# Altium PCB Copy of SmartLock_Alpha_v1.PcbDoc (continued)
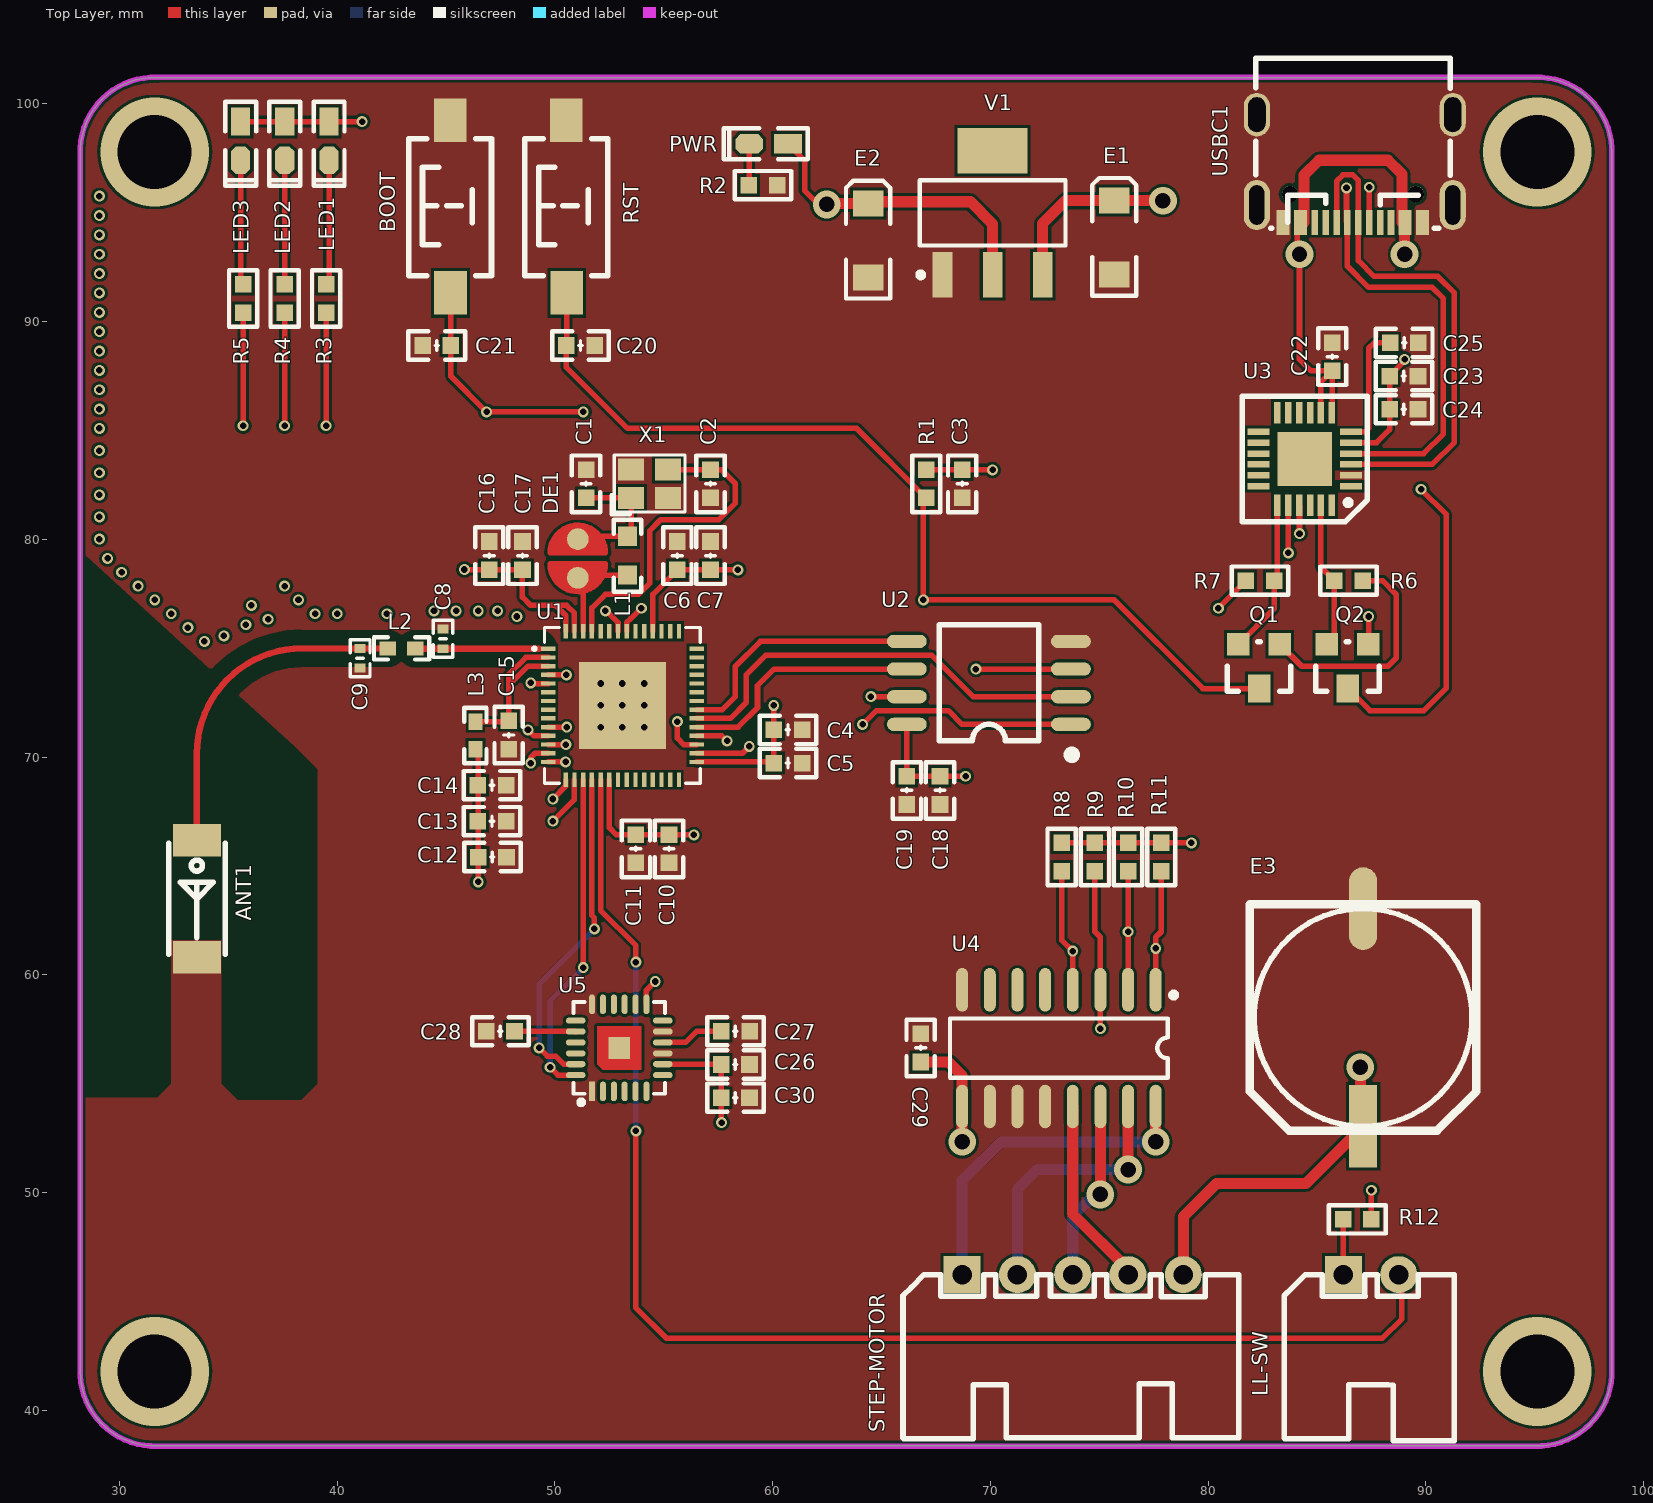
[diagram p0: Top Layer view]
## Components (designator, comment, footprint, x,y, rotation, side; value= is the part's Value field where it differs from the comment) (continued)
PWR "红色" "LED 0603B" 59.817,98.171 r180 top
Q1 "SS8050" SOT23-3N 83.419,75.194 r180 top
Q2 "SS8050" SOT23-3N 87.483,75.194 r180 top
R1 "10K" "R 0603_L" 67.056,82.55 r90 top
R2 "470R" "R 0603_L" 59.563,96.266 r0 top
R3 "470R" "R 0603_L" 39.497,91.059 r270 top
R4 "470R" "R 0603_L" 37.592,91.059 r270 top
R5 "470R" "R 0603_L" 35.687,91.059 r270 top
R6 "10K" "R 0603_L" 86.455,78.099 r0 top
R7 "10K" "R 0603_L" 82.391,78.099 r180 top
R8 "4.7K" "R 0603_L" 73.279,65.405 r90 top
R9 "4.7K" "R 0603_L" 74.803,65.405 r90 top
R10 "4.7K" "R 0603_L" 76.327,65.405 r90 top
R11 "4.7K" "R 0603_L" 77.851,65.405 r90 top
R12 "4.7K" "R 0603_L" 86.853,48.768 r0 top
RST "3x6x5" "TSW SMD-3*6*2.5" 50.526,95.309 r90 top
STEP-MOTOR "HDR-1X5" XH2.54-WI-5P 73.787,46.228 r0 top
U1 "ESP32-S3" "QFN56 7x7" 53.102,72.374 r0 top
U2 "W25Q64JVSSIQ" SOIC-8W 69.935,73.406 r180 top
U3 "CH9102F" QFN24 84.438,83.687 r180 top
U4 "达林顿驱动芯片" SOP16 73.152,56.642 r270 top
U5 "MPU6050" "QFN24 4x4_N" 52.959,56.642 r0 top
USBC1 "TYPE-C 2.0 -16P" USB-C-SMD_TYPE-C-USB-5 86.741,97.028 r180 top
V1 "AMS1117-3V3" SOT223_L 70.104,94.996 r90 top
X1 "40M ±10ppm" "OSC 2025-4P" 54.356,82.55 r0 top

## Footprints (in the part's own frame and the unit in brackets; to place one, negate y for a bottom-side part, rotate by r counter-clockwise, add the part's x,y. Pads: shape width x height; smd on the part's side, far side on the other; paste and mask are expansions set on the pad)
"C 0402_L" [mm] "无极性贴片电容         淘宝ID:黄晶宝石"
  rect 0.4x0.5 smd: 1(-0.45,0) 2(0.45,0)
  silkscreen extent -0.85,-0.45 0.85,0.45, body extent -0.5,-0.26 0.5,0.26, height 0.51
"C 0603_L" [mil] "无极性贴片电容                                       淘宝ID:黄晶宝石"
  rect 30x30 smd: 1(-25.59,0) 2(25.59,0)
  silkscreen extent -51,-26 51,26, body extent -31,-16 32,16, height 32
"CD A(3216)" [mm] "长3.2mm，宽1.6mm，厚1.6mm      淘宝ID:黄晶宝石"
  rect 1.2x1.4 smd: 1(-1.7,0) 2(1.7,0)
  silkscreen extent -2.74,-1.02 2.67,1.02, body extent -1.6,-0.8 1.6,0.8, height 1.6
"CT 10*8 - C" [mm] "直径10mm，高8mm"
  rect 3.8x1.3 smd: 1(5,0)
  oval 3.8x1.3 smd: 2(-5,0)
  silkscreen extent -5.2,-5.2 5.2,5.2, body extent -5.8,-5.15 5.8,5.15, height 8
DEBUG_A [mm] "调试断点焊盘"
  round 1 smd paste-1: 1(-0.889,0) 2(0.889,0)
  Top Layer region: 0.254,1.27 0.254,-1.27 0.762,-1.143 1.397,-0.508 1.524,0.254 1.27,0.762 1.016,1.016 0.508,1.27
  Top Layer region: -0.254,1.27 -0.254,-1.27 -0.762,-1.143 -1.397,-0.508 -1.524,0.254 -1.27,0.762 -1.016,1.016 -0.508,1.27
  Top Layer lines w0.254: -0.254,1.27 ccw(c-0.254,0) -1.5,-0.248 ccw(c-0.254,0) -0.762,-1.164 ccw(c-0.254,0) -0.254,-1.27 -0.254,1.27 ; 0.254,1.27 cw(c0.254,0) 1.016,-1.016 cw(c0.254,0) 0.254,-1.27 0.254,1.27
"L 0402" [mil] "小功率贴片电感        淘宝ID:黄晶宝石"
  rect 30x25 smd: 1(-25,0) 2(25,0)
  silkscreen extent -50,-20 50,20, body extent -20,-10 20,10, height 20
"L 0603" [mil] "小功率贴片电感        淘宝ID:黄晶宝石"
  rect 35x35 smd: 1(-35,0) 2(35,0)
  silkscreen extent -65,-25 65,25, body extent -31,-16 32,16, height 31
"LED 0603B" [mil] "蓝色0603LED                             淘宝ID:黄晶宝石"
  rect 50x35 smd: 1(-35,0.26)
  oct 50x35 smd: 2(35,0.26)
  silkscreen extent -71,-28 81,28, body extent -31,-16 32,16, height 24
"OSC 2025-4P" [mm] "2*2.5*0.55mm(长宽高)                    淘宝ID:黄晶宝石"
  rect 1.2x1 smd: 1(-0.85,-0.65) 2(0.85,-0.65) 3(0.85,0.65) 4(-0.85,0.65)
  silkscreen extent -1.75,-1.4 1.63,1.32, body extent -1.25,-1 1.25,1, height 0.55
QFN24 [mm] "4mm*4mm 封装库来自淘宝卖家 ID：黄晶宝石"
  rect 1x0.3 smd: 1(-2.125,1.25) 2(-2.125,0.75) 3(-2.125,0.25) 4(-2.125,-0.25) 5(-2.125,-0.75) 6(-2.125,-1.25) 13(2.125,-1.25) 14(2.125,-0.75) 15(2.125,-0.25) 16(2.125,0.25) 17(2.125,0.75) 18(2.125,1.25)
  rect 0.3x1 smd: 7(-1.25,-2.125) 8(-0.75,-2.125) 9(-0.25,-2.125) 10(0.25,-2.125) 11(0.75,-2.125) 12(1.25,-2.125) 19(1.25,2.125) 20(0.75,2.125) 21(0.25,2.125) 22(-0.25,2.125) 23(-0.75,2.125) 24(-1.25,2.125)
  rect 2.5x2.5 smd: 25(0,0)
  silkscreen extent -2.88,-2.88 2.88,2.88, body extent -2,-2 2,2, height 0.9
"QFN24 4x4_N" [mm] "24脚，长x宽x高：4x4x1mm，脚距：0.5mm"
  rect 0.28x0.9 smd: 1(-1.25,-2)
  oval 0.28x0.9 smd: 2(-0.75,-2) 3(-0.25,-2) 4(0.25,-2) 5(0.75,-2) 6(1.25,-2) 13(1.25,2) 14(0.75,2) 15(0.25,2) 16(-0.25,2) 17(-0.75,2) 18(-1.25,2)
  oval 0.9x0.28 smd: 7(2,-1.25) 8(2,-0.75) 9(2,-0.25) 10(2,0.25) 11(2,0.75) 12(2,1.25) 19(-2,1.25) 20(-2,0.75) 21(-2,0.25) 22(-2,-0.25) 23(-2,-0.75) 24(-2,-1.25)
  rect 1x1 smd: 25(0,0)
  Top Layer region: -1,1 1,1 1,-1 -0.75,-1 -1,-0.75
  silkscreen extent -2.11,-2.6 2.11,2.11, body extent -2.01,-2.01 2.01,2.01, height 0.95
"QFN56 7x7" [mm] "56脚 QFN65 7x7"
  rect 0.665x0.2 smd: 1(-3.408,2.6) 2(-3.408,2.2) 3(-3.408,1.8) 4(-3.408,1.4) 5(-3.408,1) 6(-3.408,0.6) 7(-3.408,0.2) 8(-3.408,-0.2) 9(-3.408,-0.6) 10(-3.408,-1) 11(-3.408,-1.4) 12(-3.408,-1.8) 13(-3.408,-2.2) 14(-3.408,-2.6) 29(3.407,-2.6) 30(3.407,-2.2) 31(3.407,-1.8) 32(3.407,-1.4) 33(3.407,-1) 34(3.407,-0.6) 35(3.407,-0.2) 36(3.407,0.2) 37(3.407,0.6) 38(3.407,1) 39(3.407,1.4) 40(3.407,1.8) 41(3.407,2.2) 42(3.407,2.6)
  rect 0.2x0.665 smd: 15(-2.6,-3.407) 16(-2.2,-3.407) 17(-1.8,-3.407) 18(-1.4,-3.407) 19(-1,-3.407) 20(-0.6,-3.407) 21(-0.2,-3.407) 22(0.2,-3.407) 23(0.6,-3.407) 24(1,-3.407) 25(1.4,-3.407) 26(1.8,-3.407) 27(2.2,-3.407) 28(2.6,-3.407) 43(2.6,3.408) 44(2.2,3.408) 45(1.8,3.408) 46(1.4,3.408) 47(1,3.408) 48(0.6,3.408) 49(0.2,3.408) 50(-0.2,3.408) 51(-0.6,3.408) 52(-1,3.408) 53(-1.4,3.408) 54(-1.8,3.408) 55(-2.2,3.408) 56(-2.6,3.408)
  rect 4x4 smd: 57(0,0)
  silkscreen extent -4.11,-3.58 3.58,3.58, body extent -3.51,-3.51 3.51,3.51, height 0.9
"R 0603_L" [mil] "1/10W贴片电阻                 淘宝ID:黄晶宝石"
  rect 30x30 smd: 1(-25.59,0) 2(25.59,0)
  silkscreen extent -51,-26 51,26, body extent -31,-16 32,16, height 16
SMD-2051 [mm]
  rect 1.5x2.2 smd: 1(-2.679,0.03) 2(2.701,0.03)
  silkscreen extent -2.55,-1.27 2.56,1.33, body extent -2.54,-1.02 2.54,1.02, height 1.2
SOIC-8W [mil] "25Q128 SPI_FLASH  SOIC8，封装库来自淘宝卖家 ID：黄晶宝石"
  oval 72x24 smd: 1(-148.35,75) 2(-148.35,25) 3(-148.35,-25) 4(-148.35,-75) 5(148.35,-75) 6(148.35,-25) 7(148.35,25) 8(148.35,75)
  silkscreen extent -155,-105 90,135, body extent -155,-104 155,104, height 75
SOP16 [mm] "封装库来自淘宝卖家 ID：黄晶宝石"
  oval 2x0.55 smd: 1(-2.667,4.445) 2(-2.667,3.175) 3(-2.667,1.905) 4(-2.667,0.635) 5(-2.667,-0.635) 6(-2.667,-1.905) 7(-2.667,-3.175) 8(-2.667,-4.445) 9(2.692,-4.445) 10(2.692,-3.175) 11(2.692,-1.905) 12(2.692,-0.635) 13(2.692,0.635) 14(2.692,1.905) 15(2.692,3.175) 16(2.692,4.445)
  silkscreen extent -2.55,-5 1.37,5.4, body extent -3,-5 3,5, height 1.9
SOT23-3N [mil] "封装库来自淘宝卖家 ID：黄晶宝石"
  rect 40x40 smd: 1(4.88,0.63) 2(79.88,0.63)
  rect 40x50 smd: 3(41.88,80.63)
  silkscreen extent -15,-4 100,86, body extent -16,-6 102,89, height 41
SOT223_L [mm] "SOT223, 4-Leads, Body 6.5x3.5mm, Pitch 2.3mm, Lead Span 7mm, IPC High Density"
  rect 2.1x0.9 smd: 1(-2.85,2.3) 2(-2.85,0) 3(-2.85,-2.3)
  rect 2.1x3.2 smd: 4(2.85,0)
  silkscreen extent -2.97,-3.35 1.5,3.42, body extent -1.85,-3.35 1.85,3.35, height 1.7
"TSW SMD-3*6*2.5" [mm] "3*6*2.5mm"
  rect 2x1.5 smd: 1(-3.996,-0.02) 2(3.937,0)
  silkscreen extent -3.21,-1.9 3.09,1.9, body extent -4,-1.88 4,1.62, height 2.59
USB-C-SMD_TYPE-C-USB-5 [mm]
  oval 1.2x2 hole 0.8 slot 1.6 at 90 deg: 0(-4.5,-2.475) 0(4.5,-2.475)
  oval 1.2x2.3 hole 0.7 slot 1.8 at 90 deg: 0(-4.5,1.675) 0(4.5,1.675)
  rect 0.3x1.15 smd: A1(-3.263,2.473) A4(-2.462,2.471) A5(-1.162,2.475) A6(-0.162,2.475) A7(0.337,2.473) A9(2.638,2.475) A12(3.438,2.475) B1(3.138,2.475) B4(2.337,2.475) B5(1.838,2.475) B6(0.838,2.475) B7(-0.663,2.473) B9(-2.162,2.471) B12(-2.963,2.473)
  rect 0.3x1.148 smd: A8(-1.663,2.475) B8(1.337,2.475)
  round 0.75 hole 0.75 unplated: ""(-2.803,1.175) ""(2.978,1.175)
  silkscreen extent -4.38,-5.08 4.56,2.75, body extent -4.34,-5.14 4.6,2.76, height 3.25
XH2.54-WI-2P [mm] "接插件，2P"
  rect 1.7x1.7 hole 0.9: 1(-1.27,0)
  round 1.7 hole 0.9: 2(1.27,0)
  silkscreen extent -3.99,-7.62 3.81,0, body extent -3.77,-7.35 3.77,0.35, height 5.73
XH2.54-WI-5P [mm] "接插件，5P"
  rect 1.7x1.7 hole 0.9: 1(-5.08,0)
  round 1.7 hole 0.9: 2(-2.54,0) 3(0,0) 4(2.54,0) 5(5.08,0)
  silkscreen extent -7.8,-7.53 7.62,0, body extent -7.58,-7.35 7.58,0.35, height 5.73

## Part data
ANT1: library part AN2051, "AN2051 多层贴片天线 2.45GHz @110Mhz带宽 50ohm阻抗"
BOOT RST: library part "TSW 3x6", "3x6轻触开关"
C1 C2 C3 C4 C5 C6 C7 C10 C11 C12 C13 C14 C15 C16 C17 C18 C19 C20 C21 C22 C23 C24 C25 C26 C27 C28 C29 C30: library part C, "贴片电容"
C8 C9: library part C-Precision, "精密电容"
DE1: library part DEBUG, "调试断点焊盘"
E1 E2: library part CT, "贴片钽电容"
E3: library part CS_SMD, "贴片固态电容"
L1 L2 L3: library part L, "小功率贴片电感"
LED1 LED2 LED3 PWR: library part LED-SMD, "贴片LED"
LL-SW: library part "Header 2", "2P接插件", BOM名称=2P接插件, 封装库来自淘宝卖家  ID：黄晶宝石=其他店铺购入均为盗版假冒封, 技术支持， 联系售后=唯一出售店铺网址https://shop463601444.taobao.com
Q1 Q2: library part 8050-SMD, "高频放大-NPN型"
R1 R2 R3 R4 R5 R6 R7 R8 R9 R10 R11 R12: library part R, "贴片电阻"
STEP-MOTOR: library part "Header 5", "5P接插件", BOM名称=5P接插件, 封装库来自淘宝卖家  ID：黄晶宝石=其他店铺购入均为盗版假冒封, 技术支持， 联系售后=唯一出售店铺网址https://shop463601444.taobao.com
U1: "2.4 GHz Wi-Fi + 低功耗蓝牙 SoC"
U2: library part W25Q64, "8MB SPI Flash存储器"
U3: "QFN24 CH9102 CP2102替代"
U4: library part ULN2003
U5: "三轴加速度计和三轴陀螺仪，工作电压：2.375V~3.46V"
USBC1: library part "USB2.0 Type-C 16Pin母座", "USB2.0 Type-C 母座 16Pin", 卖家免费技术支持，联系售后=唯一出售店铺网址https://shop463601444.taobao, 卖家免费查找封装，联系售后=唯一出售店铺网址https://shop463601444.taobao, 封装库来自淘宝卖家 ID：黄晶宝石=其他店铺购入均为盗版假冒封装库，请立即
V1: library part AMS1117, "三端稳压芯片", BOM名称=稳压芯片, 卖家免费技术支持，联系售后=唯一出售店铺网址https://shop463601444.taobao, 卖家免费查找封装，联系售后=唯一出售店铺网址https://shop463601444.taobao, 封装库来自淘宝卖家 ID：黄晶宝石=其他店铺购入均为假冒，请立即申请
X1: library part XTAL-4P, "4脚无源晶振"

## Via types
v1: diameter 0.5, hole 0.3, Top Layer to Bottom Layer, 92 vias
v2: diameter 1.27, hole 0.711, Top Layer to Bottom Layer, 9 vias
v3: diameter 0.61, hole 0.305, Top Layer to Bottom Layer, tented both sides, 9 vias
v4: diameter 5, hole 3.4, Top Layer to Bottom Layer, 4 vias

## Nets (pads, with @x,y where several pads share a name; then routed paths per layer and width w, separated by ;. In a path a pad name is that pad's centre, name@x,y a point inside that pad or via, vN(x,y) a via of type N, cw(c..) or ccw(c..) an arc to the next point about the centre after c; other vN are vias at no path point)
5V: C22.2 C29.1 E1.1 E3.1 R8.2 R9.2 R10.2 R11.2 STEP-MOTOR.5 U3.7 U3.8 U4.9 USBC1.A4 USBC1.A9 USBC1.B4 USBC1.B9 V1.3 | length 139.3
  Top Layer w0.254: R8.2 R9.2 R10.2 R11.2 v1(79.233,66.055) ; v2@84.103,93.419 USBC1.A9 ; v2(84.201,93.091) 84.201,88.265 84.73,87.736 C22.2 ; U3.8 85.188,87.216 C22.2 ; U3.7 85.708,85.832 C22.2 ; 88.903,93.723 USBC1.B9 ; v2@89.154,93.472 89.154,94.508 USBC1.A4
  Top Layer w0.508: C29.1 68.087,55.992 68.707,55.372 U4.9 v2(68.707,52.324) ; V1.3 72.404,94.502 73.455,95.553 E1.1 v2(77.929,95.553) ; STEP-MOTOR.5 78.867,48.895 80.391,50.419 84.502,50.419 E3.1 86.995,53.166 v2(86.995,55.753) ; USBC1.B4 84.404,96.723 85.09,97.409 88.265,97.409 88.903,96.771 USBC1.B9
  Signal Layer 2 w0.508: v2(68.707,52.324) 68.707,50.292 70.104,48.895 77.597,48.895 78.867,47.625 STEP-MOTOR.5 ; v2(77.929,95.553) 80.391,93.091 v2(84.201,93.091) v2(89.027,93.091) 91.313,93.091 93.345,91.059 93.345,68.834 90.566,66.055 ; v1(79.233,66.055) 90.566,66.055 ; v2(86.995,55.753) 86.995,62.484 90.566,66.055
ANT: C8.2 L2.1 U1.1 | length 5.7
  Top Layer w0.147: L2.1@43.599,74.974 L2.1
  Top Layer w0.292: L2.1@43.599,74.974 49.276,74.974
AVDD: C3.2 C4.1 C5.1 C6.1 C7.1 C10.1 C11.1 C12.1 C13.1 C14.1 C16.1 C17.1 C18.1 C19.1 C23.2 C24.2 C26.1 C30.1 E2.1 L3.1 LED1.1 LED2.1 LED3.1 PWR.1 R1.2 R12.2 U1.20 U1.29 U1.46 U1.55 U1.56 U2.8 U3.5 U5.8 U5.13 V1.2 | length 74.8
  Top Layer w0.254: LED3.1 LED1.1 v1(41.148,99.187) ; v1(45.847,78.613) 45.862,78.598 C16.1 C17.1 48.514,77.343 48.895,76.962 50.038,76.962 ; L3.1 46.482,70.231 C12.1 v1(46.482,64.262) ; U1.56 50.502,76.498 50.038,76.962 ; U1.55 50.902,76.606 50.546,76.962 50.038,76.962 ; U1.20 52.502,66.751 52.817,66.436 C11.1 C10.1 55.26,66.421 v1(56.388,66.421) ; U5.13 54.209,59.289 v1(54.61,59.69) ; U1.46 54.502,77.474 C6.1 C7.1 v1(58.405,78.598) ; U5.8 57.631,55.892 C26.1 C30.1 57.643,53.228 v1(57.658,53.213) ; U1.29 59.98,69.774 60.056,69.85 C4.1 v1(60.056,72.375) ; PWR.1 61.468,97.402 61.468,96.012 62.103,95.377 v2(62.484,95.377) v2@62.533,95.426 ; U2.8 C19.1 C18.1 v1(68.864,69.118) ; R1.2 C3.2 70.089,83.2 v1(70.104,83.185) ; U3.5 87.739,84.437 88.345,85.043 C24.2 C23.2 89.027,88.179 v1(89.027,88.265) ; R12.2 v1(87.503,50.103)
  Top Layer w0.508: v2@62.533,95.426 E2.1 ; E2.1@64.389,95.68 64.565,95.504 69.088,95.504 70.104,94.488 V1.2
  other v1: 33.909,75.311 34.798,75.565 33.147,75.946 35.814,76.073 36.83,76.327 48.26,76.454 32.385,76.581 38.989,76.581 40.005,76.581 42.291,76.581 44.45,76.708 45.466,76.708 46.482,76.708 47.371,76.708 36.068,76.962 31.623,77.216 38.227,77.216 30.861,77.851 37.592,77.851 30.099,78.486 29.464,79.121 29.083,80.01 29.083,81.026 29.083,82.042 29.083,83.058 29.083,84.074 29.083,85.09 29.083,85.979 29.083,86.868 29.083,87.757 29.083,88.646 29.083,89.535 29.083,90.424 29.083,91.313 29.083,92.202 29.083,93.091 29.083,93.98 29.083,94.869 29.083,95.758
DTR: Q2.2 R6.1 U3.23 | length 6.8
  Top Layer w0.254: U3.23 85.188,78.716 R6.1 85.805,75.529 Q2.2
EN: C20.2 Q1.3 R1.1 RST.1 U1.4 | length 62.9
  Top Layer w0.254: U1.4 v1(50.533,73.774) ; RST.1 50.546,88.915 C20.2 50.531,87.899 53.34,85.09 63.866,85.09 R1.1 66.929,81.773 v1(66.929,77.216) 75.692,77.216 79.762,73.146 Q1.3
  Signal Layer 2 w0.254: v1(50.533,73.774) 52.07,75.311 65.024,75.311 v1(66.929,77.216)
GND: ANT1.2 BOOT.2 C1.1 C2.1 C3.1 C4.2 C5.2 C6.2 C7.2 C8.1 C9.1 C10.2 C11.2 C12.2 C13.2 C14.2 C15.2 C16.2 C17.2 C18.2 C19.2 C20.1 C21.1 C22.1 C23.1 C24.1 C25.1 C26.2 C27.1 C28.1 C29.2 C30.2 E1.2 E2.2 E3.2 R2.2 RST.2 U1.57 U2.4 U3.2 U4.8 U4.10 U4.11 U4.12 U5.1 U5.9 U5.11 U5.18 USBC1.0 USBC1.A1 USBC1.A12 USBC1.B1 USBC1.B12 V1.1 X1.2 X1.4
  other v3: 52.102,71.374 53.103,71.375 54.102,71.374 52.102,72.374 53.102,72.374 54.102,72.374 52.102,73.374 53.102,73.374 54.102,73.374
M1: STEP-MOTOR.1 U4.16 | length 16.2
  Top Layer w0.508: U4.16 v2(77.597,52.324) v2@77.851,52.324
  Bottom Layer w0.508: STEP-MOTOR.1 68.707,50.546 70.485,52.324 77.349,52.324 77.597,52.076 v2(77.597,52.324)
M2: STEP-MOTOR.2 U4.15 | length 12
  Top Layer w0.508: v2@76.327,51.308 U4.15
  Bottom Layer w0.508: STEP-MOTOR.2 71.247,50.165 72.136,51.054 v2(76.327,51.054)
M3: STEP-MOTOR.3 U4.14 | length 8.4
  Top Layer w0.508: v2(75.057,49.911) U4.14
  Bottom Layer w0.508: STEP-MOTOR.3 73.787,48.895 74.803,49.911 v2(75.057,49.911)
M4: STEP-MOTOR.4 U4.13 | length 8.8
  Top Layer w0.508: U4.13 73.787,49.022 76.327,46.482 STEP-MOTOR.4
NetANT1_1: ANT1.1 C9.2 L2.2 | length 15.5
  Top Layer w0.292: ANT1.1 33.558,70.157 cw(c38.387,70.157) 38.387,74.986 C9.2 L2.2
NetBOOT_1: BOOT.1 C21.2 Q2.3 U1.5 | length 79.6
  Top Layer w0.254: BOOT.1 45.212,88.915 C21.2 45.227,87.488 v1(46.863,85.852) v1(51.308,85.852) ; v1(48.895,73.406) 48.927,73.374 U1.5 ; Q2.3 87.429,72.136 89.916,72.136 90.932,73.152 90.932,81.153 v1(89.789,82.296)
  Signal Layer 2 w0.254: v1(46.863,85.852) 48.895,83.82 v1(48.895,73.406) ; v1(51.308,85.852) 86.233,85.852 v1(89.789,82.296)
NetC1_2: C1.2 DE1.2 L1.2 X1.1 | length 6.3
  Top Layer w0.254: DE1.2 51.181,80.137 52.07,80.137 L1.2 ccw(c53.34,80.303) 53.506,80.303 X1.1 C1.2
NetC25_2: C25.2 U3.6 | length 5.6
  Top Layer w0.254: U3.6 87.223,84.937 87.376,85.09 87.376,88.773 87.624,89.021 C25.2
NetC27_2: C27.2 U5.10 | length 2.9
  Top Layer w0.254: U5.10 56.003,56.892 56.515,57.404 C27.2
NetC28_2: C28.2 U5.20 | length 2.8
  Top Layer w0.254: C28.2 50.947,57.404 U5.20
NetLED1_2: LED1.2 R3.1 | length 5.8
  Top Layer w0.254: R3.1 39.631,91.843 LED1.2
NetLED2_2: LED2.2 R4.1 | length 5.7
  Top Layer w0.254: R4.1 LED2.2
NetLED3_2: LED3.2 R5.1 | length 5.7
  Top Layer w0.254: LED3.2 35.567,91.829 R5.1
NetLL-SW_1: LL-SW.1 R12.1 | length 2.5
  Top Layer w0.254: R12.1 86.203,46.243 LL-SW.1
NetLL-SW_2: LL-SW.2 U1.19 | length 63.1
  Top Layer w0.254: U1.19 52.102,62.96 53.721,61.341 v1(53.721,60.579) ; v1(53.721,52.832) 53.721,44.704 55.118,43.307 88.011,43.307 88.9,44.196 88.9,46.086 LL-SW.2
  Bottom Layer w0.254: v1(53.721,52.832) v1(53.721,60.579)
NetPWR_2: PWR.2 R2.1 | length 1.9
  Top Layer w0.254: R2.1 58.928,96.281 PWR.2
NetQ1_1: Q1.1 R6.2 | length 10.6
  Top Layer w0.254: Q1.1 84.305,74.168 88.265,74.168 88.646,74.549 88.646,77.47 88.017,78.099 R6.2
NetQ2_1: Q2.1 R7.2 | length 12
  Top Layer w0.254: v1(80.477,76.835) R7.2 ; Q2.1 87.376,75.195 v1(87.376,76.454)
  Signal Layer 2 w0.254: v1(80.477,76.835) 80.477,75.606 81.026,75.057 83.312,75.057 84.709,76.454 v1(87.376,76.454)
NetR3_2: R3.2 U1.10 | length 25.5
  Top Layer w0.254: v1(39.497,85.217) R3.2 ; U1.10 v1(50.546,71.374)
  Signal Layer 2 w0.254: v1(39.497,85.217) 39.497,80.645 48.133,72.009 49.911,72.009 v1(50.546,71.374)
NetR4_2: R4.2 U1.11 | length 26.2
  Top Layer w0.254: v1(37.592,85.217) R4.2 ; v1(48.768,71.247) 49.041,70.974 U1.11
  Signal Layer 2 w0.254: v1(37.592,85.217) 37.592,80.137 46.482,71.247 v1(48.768,71.247)
NetR5_2: R5.2 U1.12 | length 30.7
  Top Layer w0.254: v1(35.687,85.217) R5.2 ; U1.12 v1(50.508,70.574)
  Signal Layer 2 w0.254: v1(35.687,85.217) 35.687,78.74 43.853,70.574 v1(50.508,70.574)
NetR8_1: R8.1 U1.16 U4.4 | length 35.8
  Top Layer w0.254: v1(49.911,67.056) 50.902,68.047 U1.16 ; R8.1 73.279,61.595 v1(73.787,61.087) U4.4
  Signal Layer 2 w0.254: v1(49.911,67.056) 49.911,64.516 51.689,62.738 72.136,62.738 v1(73.787,61.087)
NetR9_1: R9.1 U1.15 U4.3 | length 44.6
  Top Layer w0.254: v1(49.911,68.072) 50.502,68.663 U1.15 ; R9.1 74.803,61.976 75.057,61.722 U4.3 v1(75.057,57.531)
  Signal Layer 2 w0.254: v1(49.911,68.072) 48.641,66.802 48.641,61.468 53.721,56.388 73.914,56.388 v1(75.057,57.531)
NetR10_1: R10.1 U1.14 U4.2 | length 36.4
  Top Layer w0.254: U1.14 v1(50.495,69.774) ; U4.2 v1(76.327,61.976) R10.1
  Signal Layer 2 w0.254: v1(50.495,69.774) 55.067,69.774 58.674,66.167 74.041,66.167 76.327,63.881 v1(76.327,61.976)
NetR11_1: R11.1 U1.13 U4.1 | length 39.1
  Top Layer w0.254: v1(48.895,69.723) 48.895,69.977 49.092,70.174 U1.13 ; U4.1 v1(77.597,61.214) 77.597,61.722 77.851,61.976 R11.1
  Signal Layer 2 w0.254: v1(48.895,69.723) 48.895,69.342 49.276,68.961 50.546,68.961 55.753,63.754 72.771,63.754 75.311,61.214 v1(77.597,61.214)
NetU1_6: U1.6
NetU1_7: U1.7
NetU1_8: U1.8
NetU1_9: U1.9
NetU1_17: U1.17 U5.24 | length 15.2
  Top Layer w0.254: v1(49.784,55.753) 50.145,55.392 U5.24 ; U1.17 51.302,60.331 v1(51.308,60.325)
  Bottom Layer w0.254: v1(49.784,55.753) 49.784,58.801 v1(51.308,60.325)
NetU1_18: U1.18 U5.23 | length 15.4
  Top Layer w0.254: v1(49.276,56.642) 49.657,56.261 50.038,56.261 50.407,55.892 U5.23 ; U1.18 51.702,62.725 51.816,62.611 v1(51.816,62.103)
  Bottom Layer w0.254: v1(49.276,56.642) 49.276,59.563 v1(51.816,62.103)
NetU1_21: U1.21
NetU1_22: U1.22
NetU1_23: U1.23
NetU1_24: U1.24
NetU1_25: U1.25
NetU1_26: U1.26
NetU1_27: U1.27
NetU1_28: U1.28
NetU1_36: U1.36
NetU1_37: U1.37
NetU1_38: U1.38
NetU1_39: U1.39
NetU1_40: U1.40
NetU1_41: U1.41
NetU1_42: U1.42
NetU1_43: U1.43
NetU1_44: U1.44
NetU1_45: U1.45
NetU1_47: U1.47
NetU1_48: U1.48
NetU1_49: U1.49 U3.20 | length 34.3
  Top Layer w0.254: U1.49 53.302,76.173 53.497,76.368 53.508,76.368 v1(53.975,76.835) ; U3.20 83.688,79.38 v1(83.693,79.375)
  Signal Layer 2 w0.254: v1(53.975,76.835) 56.261,79.121 83.439,79.121 v1(83.693,79.375)
NetU1_50: U1.50 U3.21 | length 37.2
  Top Layer w0.254: v1(52.324,76.708) 52.367,76.708 52.902,76.173 U1.50 ; U3.21 84.201,81.549 v1(84.201,80.264)
  Signal Layer 2 w0.254: v1(52.324,76.708) 52.324,78.994 53.213,79.883 83.82,79.883 v1(84.201,80.264)
NetU1_51: U1.51
NetU1_52: U1.52
RTS: Q1.2 R7.1 U3.19 | length 7.1
  Top Layer w0.254: Q1.2 83.041,76.829 R7.1 83.188,78.246 U3.19
SPICLK: U1.33 U2.6 | length 11.4
  Top Layer w0.254: U1.33 58.42,71.374 59.309,72.263 59.309,73.279 60.071,74.041 U2.6
SPICS0: U1.32 U2.1 | length 18.8
  Top Layer w0.254: U1.32 57.677,70.974 v1(57.912,70.739) ; v1(64.135,71.501) 64.77,72.136 68.072,72.136 68.707,71.501 U2.1
  Signal Layer 2 w0.254: v1(57.912,70.739) 58.674,69.977 62.611,69.977 v1(64.135,71.501)
SPID: U1.35 U2.5 | length 11.8
  Top Layer w0.254: U1.35 57.696,72.174 58.293,72.771 58.293,74.168 59.436,75.311 U2.5
SPIHD: U1.30 U2.7 | length 10.7
  Top Layer w0.254: U1.30 58.617,70.174 v1(58.928,70.485) ; v1(64.516,72.771) U2.7
  Signal Layer 2 w0.254: v1(58.928,70.485) 61.214,72.771 v1(64.516,72.771)
SPIQ: U1.34 U2.2 | length 19.9
  Top Layer w0.254: U1.34 58.058,71.774 58.801,72.517 58.801,73.787 59.69,74.676 67.31,74.676 69.215,72.771 U2.2
SPIWP: U1.31 U2.3 | length 21.6
  Top Layer w0.254: v1(55.626,71.628) 55.626,70.866 55.918,70.574 U1.31 ; v1(69.342,74.041) U2.3
  Signal Layer 2 w0.254: v1(55.626,71.628) 55.626,72.898 56.134,73.406 67.31,73.406 67.945,74.041 v1(69.342,74.041)
USBD+: U3.3 USBC1.A6 USBC1.B6 | length 23.9
  Top Layer w0.254: USBC1.B6 85.903,96.444 86.198,96.739 86.649,96.739 86.903,96.485 USBC1.A6 86.903,92.802 87.63,92.075 90.551,92.075 91.313,91.313 91.313,84.455 90.295,83.437 U3.3
USBD-: U3.4 USBC1.A7 USBC1.B7 | length 22.5
  Top Layer w0.254: v1(86.36,96.139) 86.36,94.598 USBC1.A7 86.404,92.539 87.376,91.567 90.297,91.567 90.805,91.059 90.805,84.836 89.906,83.937 U3.4 ; USBC1.B7 v1(87.404,96.167)
  Signal Layer 2 w0.254: v1(86.36,96.139) 86.36,96.266 86.614,96.52 87.05,96.52 v1(87.404,96.167)
VDD3P3: C15.1 L3.2 U1.2 U1.3 | length 8
  Top Layer w0.254: L3.2 47.849,71.628 C15.1 47.879,73.279 ; U1.3 48.774,74.174 47.879,73.279 ; U1.2 48.666,74.574 47.879,73.787 47.879,73.279
XTALN: C2.2 U1.53 X1.3 | length 15.3
  Top Layer w0.254: U1.53 51.702,76.848 52.324,77.47 53.848,77.47 54.356,77.978 54.356,80.391 54.864,80.899 57.531,80.899 58.293,81.661 58.293,82.55 57.643,83.2 C2.2 X1.3
XTALP: DE1.1 L1.1 U1.54 | length 3.7
  Top Layer w0.254: DE1.1 51.302,77.984 51.302,77.621 U1.54 ; 52.218,78.359 L1.1
pads on no net: U3.1 U3.9 U3.10 U3.11 U3.12 U3.13 U3.14 U3.15 U3.16 U3.17 U3.18 U3.22 U3.24 U3.25 U4.5 U4.6 U4.7 U5.2 U5.3 U5.4 U5.5 U5.6 U5.7 U5.12 U5.14 U5.15 U5.16 U5.17 U5.19 U5.21 U5.22 U5.25 USBC1. USBC1.A5 USBC1.A8 USBC1.B5 USBC1.B8 V1.4
copper on no net:
  other v4: 31.623,41.783 95.123,41.783 31.623,97.79 95.123,97.79

## Polygon pours and split planes (outlines as drawn)
AVDD on Signal Layer 2 "Top Layer-No Net2" (solid, pour order 4): 28.206,41.783 28.206,97.664 28.208,97.664 cw(c31.623,97.79) 31.623,101.207 31.623,101.205 94.997,101.205 cw(c95.123,97.79) 98.54,97.79 98.538,97.79 98.538,41.909 cw(c95.123,41.783) 95.123,38.366 95.123,38.368 31.749,38.368 cw(c31.623,41.783)
GND on Top Layer "Top Layer-No Net" (solid, pour order 2): 28.206,41.783 28.206,97.664 28.208,97.664 cw(c31.623,97.79) 31.623,101.207 31.623,101.205 94.997,101.205 cw(c95.123,97.79) 98.54,97.79 98.538,97.79 98.538,41.909 cw(c95.123,41.783) 95.123,38.366 95.123,38.368 31.749,38.368 cw(c31.623,41.783)
GND on Signal Layer 1 "Top Layer-No Net1" (solid, pour order 3): 28.206,41.783 28.206,97.664 28.208,97.664 cw(c31.623,97.79) 31.623,101.207 31.623,101.205 94.997,101.205 cw(c95.123,97.79) 98.54,97.79 98.538,97.79 98.538,41.909 cw(c95.123,41.783) 95.123,38.366 95.123,38.368 31.749,38.368 cw(c31.623,41.783)
GND on Bottom Layer "Top Layer-No Net3" (solid, pour order 5): 28.206,41.783 28.206,97.664 28.208,97.664 cw(c31.623,97.79) 31.623,101.207 31.623,101.205 94.997,101.205 cw(c95.123,97.79) 98.54,97.79 98.538,97.79 98.538,41.909 cw(c95.123,41.783) 95.123,38.366 95.123,38.368 31.749,38.368 cw(c31.623,41.783)

## Keep-outs
Top Layer:
  lines w0.254: 28.194,41.91 ccw(c31.623,41.783) 31.75,38.354 94.996,38.354 ccw(c95.123,41.783) 98.552,41.91 98.552,96.774 98.552,97.663 ccw(c95.123,97.79) 94.996,101.219 31.75,101.219 ccw(c31.623,97.79) 28.194,97.663 28.194,41.91

## Other copper
Top Layer:
  pour cut-out: 28.194,79.502 38.059,70.485 39.116,69.428 39.116,54.991 38.354,54.229 35.433,54.229 34.671,54.991 34.671,61.595 32.385,61.595 32.385,54.991 31.75,54.356 28.194,54.356
Signal Layer 1:
  pour cut-out: 28.194,79.502 38.059,70.485 39.116,69.428 39.116,54.991 38.354,54.229 35.433,54.229 34.671,54.991 34.671,61.595 32.385,61.595 32.385,54.991 31.75,54.356 28.194,54.356
Signal Layer 2:
  pour cut-out: 28.194,79.502 38.059,70.485 39.116,69.428 39.116,54.991 38.354,54.229 35.433,54.229 34.671,54.991 34.671,61.595 32.385,61.595 32.385,54.991 31.75,54.356 28.194,54.356
Bottom Layer:
  pour cut-out: 28.194,79.502 38.059,70.485 39.116,69.428 39.116,54.991 38.354,54.229 35.433,54.229 34.671,54.991 34.671,61.595 32.385,61.595 32.385,54.991 31.75,54.356 28.194,54.356

## Silkscreen, mask and mechanical layers (free items; w line width, h text height)
Mechanical 1:
  lines w0.254: 31.623,101.205 94.997,101.205 cw(c95.123,97.79) 98.54,97.79 ; 31.623,101.207 ccw(c31.623,97.79) 28.208,97.664 28.206,97.664 28.206,41.783 ccw(c31.623,41.783) 31.749,38.368 95.123,38.368 ; 95.123,38.366 ccw(c95.123,41.783) 98.538,41.909 98.538,97.79